# Allegro board WeChat_ZM_PART_20200601.brd (continued)
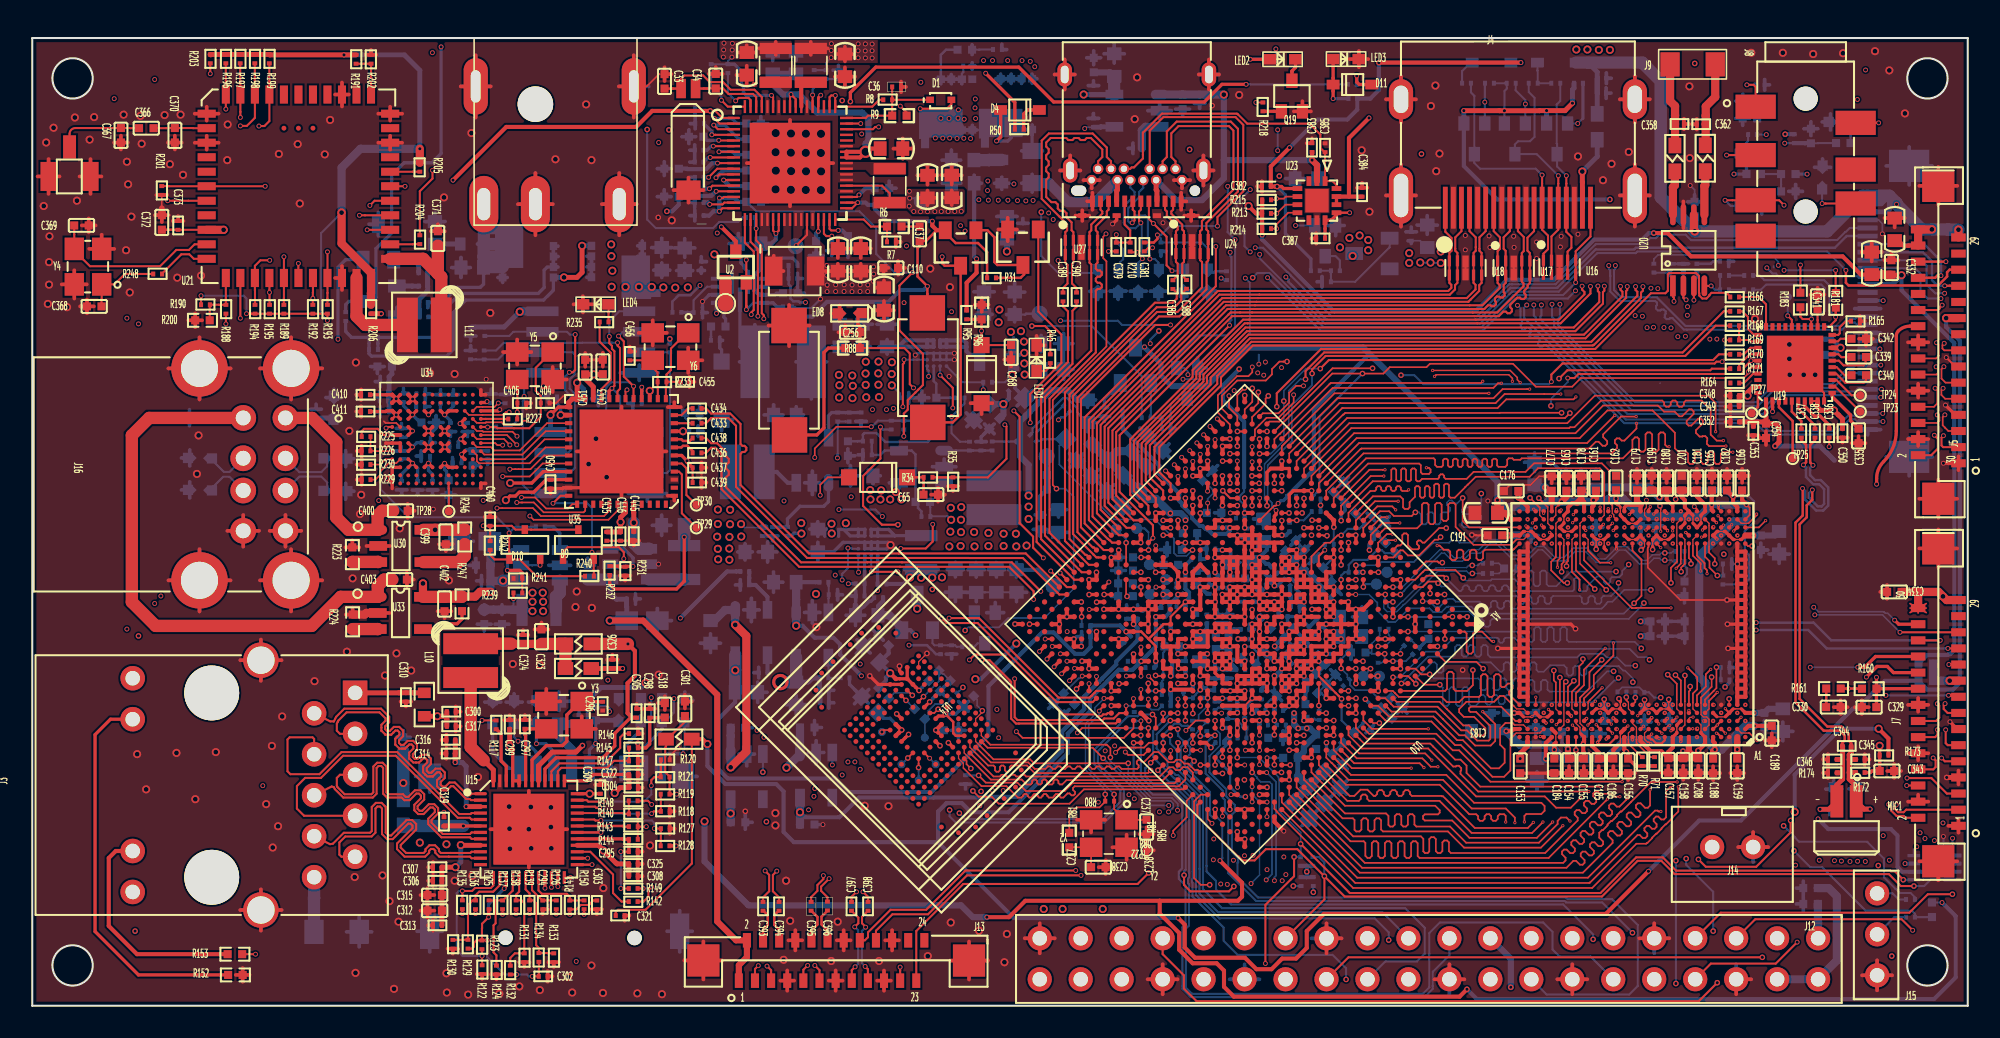
[diagram p0: board, top side]
## Routing (per net, layer and track width the routed paths; a pad name or vN(x,y) marks a point on that pad's centre or on a via; arc(x,y) is an arc through that point) (continued)
DDR0_D19: length 23.1
  TOP w0.102: v3(83.8,32.84) 82.98,32.84 82.01,31.87 81.15,31.01 U10.U2
  SIG1 w0.076: v3(98.25,29.16) 98.38,29.29 98.38,29.94 98.53,30.09 98.53,31.86 97.58,32.8 95.99,34.4 95.48,34.4 85.52,34.4 83.96,32.84 v3(83.8,32.84)
DDR0_D20: length 26.3
  TOP w0.076: 97.46,30.79 97.46,30.79 97.46,30.41 U11.AH19
  TOP w0.102: 97.46,30.79 97.46,31.61 97.47,31.62 97.47,33.05 97.19,33.33 93.36,33.33 92.83,32.8 89.49,32.8 89.01,32.31 89,32.31 88.85,32.16 88.85,32.16 88.2,31.5 87.92,31.5 87.84,31.59 87.84,32.28 87.75,32.36 87.62,32.36 87.53,32.28 87.53,31.59 87.44,31.5 87.32,31.5 87.23,31.59 87.23,32.28 87.14,32.36 87.01,32.36 86.92,32.28 86.92,31.59 86.83,31.5 86.73,31.5 86.64,31.59 86.64,32.12 86.55,32.21 86.43,32.21 86.34,32.12 86.34,31.59 86.25,31.5 86.12,31.5 86.03,31.59 86.03,32.12 85.94,32.21 85.82,32.21 85.73,32.12 85.73,31.55 85.39,31.22 85.39,30.9 85.29,30.8 85.09,30.8 84.99,30.9 84.99,31.41 84.81,31.58 83.12,31.58 82.74,31.2 82.71,31.2 82.31,30.79 U10.T1
DDR0_D21: length 23.3
  TOP w0.102: v3(85.33,31.99) 85.26,31.92 84.94,31.92 84.85,32.01 84.85,32.12 84.76,32.21 84.64,32.21 84.55,32.12 84.55,32.01 84.46,31.92 84.33,31.92 84.24,32.01 84.24,32.12 84.15,32.21 84.03,32.21 83.94,32.12 83.94,32.01 83.85,31.92 83.72,31.92 83.63,32.01 83.63,32.12 83.54,32.21 83.42,32.21 83.33,32.12 83.33,32.01 83.24,31.92 82.97,31.92 81.61,30.56 U10.T2
  SIG1 w0.076: v3(97.21,29.16) 97,29.37 97,29.78 96.84,29.95 96.65,29.95 96.39,30.21 96.39,30.79 94.42,32.76 94.19,32.76 93.31,32.76 93.24,32.69 93.24,32.58 93.17,32.52 93.08,32.52 93.01,32.58 93.01,32.7 92.94,32.76 92.85,32.76 92.78,32.7 92.78,32.58 92.71,32.52 92.62,32.52 92.55,32.58 92.55,32.7 92.49,32.76 92.39,32.76 92.32,32.7 92.32,32.58 92.26,32.52 92.16,32.52 92.1,32.58 92.1,32.7 92.03,32.76 91.93,32.76 91.87,32.7 91.87,32.58 91.8,32.52 91.7,32.52 91.64,32.58 91.64,32.7 91.57,32.76 91.48,32.76 91.41,32.7 91.41,32.58 91.34,32.52 91.25,32.52 91.18,32.58 91.18,32.7 91.11,32.76 91.02,32.76 90.95,32.7 90.95,32.58 90.89,32.52 90.79,32.52 90.72,32.58 90.72,32.7 90.66,32.76 90.38,32.76 90.31,32.7 90.31,32.69 90.24,32.63 90.15,32.63 90.08,32.69 90.08,32.7 90.02,32.76 89.92,32.76 89.85,32.7 89.85,32.69 89.79,32.63 89.69,32.63 89.63,32.69 89.63,32.7 89.56,32.76 89.46,32.76 89.4,32.7 89.4,32.69 89.33,32.63 89.24,32.63 89.17,32.69 89.17,32.7 89.1,32.76 89.03,32.76 88.96,32.7 88.96,32.45 88.89,32.39 88.8,32.39 88.73,32.45 88.73,32.7 88.66,32.76 85.86,32.76 85.33,32.24 v3(85.33,31.99)
DDR0_D22: length 23.1
  TOP w0.102: U10.R2 82.07,30.1 83.25,31.28 v3(84.68,31.28)
  SIG1 w0.076: v3(84.68,31.28) 84.78,31.38 85.12,31.38 85.24,31.5 85.36,31.5 85.68,31.18 85.81,31.18 85.9,31.27 85.9,31.39 85.58,31.71 85.58,31.84 85.67,31.93 85.8,31.93 86.11,31.61 86.24,31.61 86.33,31.7 86.33,31.83 86.01,32.14 86.01,32.27 86.23,32.48 86.47,32.48 86.55,32.4 86.55,32.16 86.64,32.08 86.77,32.08 86.86,32.16 86.86,32.4 86.95,32.48 87.07,32.48 87.16,32.4 87.16,32.16 87.25,32.08 87.38,32.08 87.47,32.16 87.47,32.4 87.56,32.48 87.68,32.48 87.77,32.4 87.77,32.16 87.86,32.08 87.99,32.08 88.08,32.16 88.08,32.4 88.17,32.48 88.29,32.48 88.38,32.4 88.38,32.16 88.47,32.08 89.05,32.08 89.09,32.11 89.36,32.11 89.59,32.35 90.09,32.35 90.21,32.22 91.55,32.22 91.66,32.11 93.33,32.11 93.67,32.45 94.34,32.45 94.48,32.31 94.48,32.19 94.22,31.92 94.22,31.8 94.31,31.71 94.43,31.71 94.69,31.97 94.82,31.97 96.11,30.68 96.11,30.07 96.52,29.66 v3(96.71,29.66)
DDR0_D23: length 23
  TOP w0.102: U10.R1 82.77,30.33 83.4,30.96 84.31,30.96 v3(84.53,30.75)
  SIG1 w0.076: v3(84.53,30.75) 84.39,30.75 84.29,30.64 84.29,30.33 84.38,30.24 85.04,30.24 85.13,30.33 85.13,30.49 85.05,30.57 84.9,30.57 84.82,30.64 84.82,30.95 84.9,31.02 85.32,31.02 85.39,30.95 85.39,30.33 85.52,30.2 85.9,30.2 86.11,30.41 86.11,31.07 86.16,31.12 86.29,31.12 86.49,30.92 86.62,30.92 86.71,31.01 86.71,31.13 86.5,31.34 86.5,31.47 86.83,31.8 86.91,31.8 87,31.71 87,31.44 87.09,31.35 87.21,31.35 87.3,31.44 87.3,31.71 87.39,31.8 87.52,31.8 87.61,31.71 87.61,31.44 87.7,31.35 87.82,31.35 87.91,31.44 87.91,31.71 88,31.8 89.44,31.8 89.71,32.07 89.97,32.07 90.1,31.94 91.43,31.94 91.57,31.81 91.99,31.81 92.01,31.83 92.27,31.83 92.29,31.81 93.57,31.81 94.46,30.92 95.48,30.92 95.83,30.56 95.83,29.55 95.99,29.39 95.99,28.95 96.28,28.66 v3(96.7,28.66)
DDR0_D24: length 15.4
  TOP w0.102: U11.AE29 91.88,28.33 91.87,28.33 91.82,28.28 90.07,28.28 89.95,28.16 89.95,27.75 89.83,27.63 89.66,27.63 89.54,27.75 89.54,28.16 89.42,28.28 89.25,28.28 89.13,28.16 89.13,27.75 89.02,27.63 88.85,27.63 88.73,27.75 88.73,28.16 88.61,28.28 88.44,28.28 88.32,28.16 88.32,27.75 88.2,27.63 88.03,27.63 87.92,27.75 87.92,28.16 87.8,28.28 87.51,28.28 87.26,28.53 v3(87.1,28.53) ; U10.P1 83.14,29.78 83.14,29.78 83.64,30.29 v3(83.99,30.29)
  SIG1 w0.076: v3(83.99,30.29) 83.62,29.92 83.36,29.92 83.27,29.83 83.27,29.71 83.36,29.62 83.6,29.62 83.69,29.53 83.69,29.18 84.55,28.33 86.9,28.33 v3(87.1,28.53)
DDR0_D25: length 15.9
  TOP w0.102: v2(85.75,30.59) 85.52,30.36 84.42,30.36 84.12,30.66 83.56,30.66 82.53,29.63 U10.P2 ; v2(88.69,31.48) 88.69,30.06 89.09,29.66 U11.AG29
  BOTTOM w0.102: v2(85.75,30.59) 85.98,30.59 86.1,30.47 86.1,29.97 86.21,29.85 86.38,29.85 86.5,29.97 86.5,30.47 86.62,30.59 86.79,30.59 86.91,30.47 86.91,29.97 87.03,29.85 87.2,29.85 87.31,29.97 87.31,30.47 87.43,30.59 87.8,30.59 87.9,30.69 87.9,30.86 87.72,31.04 87.72,31.21 87.84,31.33 88.01,31.33 88.18,31.15 88.35,31.15 v2(88.69,31.48)
DDR0_D26: length 17.2
  TOP w0.076: 92.02,28.91 92.46,28.91 U11.AF28
  TOP w0.102: U10.N1 83.87,29.6 85.86,29.6 86.16,29.91 86.16,31.07 86.26,31.17 86.47,31.17 86.57,31.07 86.57,29.98 86.69,29.86 86.86,29.86 86.98,29.98 86.98,31.07 87.08,31.17 87.28,31.17 87.38,31.07 87.38,30.18 87.5,30.06 87.67,30.06 87.79,30.18 87.79,31.07 87.89,31.17 88.15,31.17 88.25,31.07 88.25,29.69 89.36,28.58 91.69,28.58 92.02,28.91
DDR0_D27: length 15.1
  TOP w0.102: v3(84.52,28.87) 84.06,28.87 U10.M1
  SIG1 w0.076: v3(92.71,30.16) 92.12,30.16 92.02,30.26 91.81,30.26 91.71,30.16 91.64,30.16 91.51,30.28 90.93,30.28 90.78,30.14 90.62,30.14 90.48,30.28 90.32,30.28 90.19,30.16 89.92,30.16 89.81,30.27 89.5,30.27 89.48,30.24 89.2,30.24 89.17,30.27 88.89,30.27 88.87,30.24 88.59,30.24 88.48,30.36 88.21,30.36 88.14,30.29 88.14,30 88.08,29.93 87.98,29.93 87.92,30 87.92,30.29 87.85,30.36 87.75,30.36 87.69,30.29 87.69,30 87.62,29.93 87.53,29.93 87.46,30 87.46,30.29 87.39,30.36 87.32,30.36 87,30.04 87,29.7 86.94,29.63 86.73,29.63 86.66,29.57 86.66,29.47 86.73,29.41 86.94,29.41 87,29.34 87,29.26 86.94,29.2 86.35,29.2 86.28,29.13 86.28,29.03 86.35,28.97 86.94,28.97 87,28.9 87,28.82 86.78,28.61 86.25,28.61 86.18,28.67 86.18,28.8 86.11,28.87 86.02,28.87 85.95,28.8 85.95,28.67 85.88,28.61 85.79,28.61 85.72,28.67 85.72,28.8 85.66,28.87 85.56,28.87 85.49,28.8 85.49,28.67 85.43,28.61 85.33,28.61 85.27,28.67 85.27,28.8 85.2,28.87 85.1,28.87 85.04,28.8 85.04,28.67 84.97,28.61 84.78,28.61 v3(84.52,28.87)
DDR0_D28: length 14.7
  TOP w0.102: v3(84.79,29.93) 83.72,29.93 83.3,29.51 83.3,29.5 83.12,29.32 83.11,29.32 82.99,29.19 U10.N2
  SIG1 w0.076: 93.83,29.27 93.83,30.03 93.67,30.18 93.67,30.2 93.28,30.59 93.26,30.59 93.04,30.82 92.8,30.82 92.8,30.82 91.77,30.82 91.59,30.99 89.77,30.99 89.71,31.06 89.71,31.25 89.64,31.32 89.54,31.32 89.48,31.25 89.48,31.06 89.41,30.99 89.32,30.99 89.25,31.06 89.25,31.25 89.18,31.32 89.09,31.32 89.02,31.25 89.02,31.06 88.95,30.99 87.09,30.99 85.9,29.8 84.92,29.8 v3(84.79,29.93) ; 93.83,29.27 v3(93.71,29.16) ; 93.83,29.27 93.83,29.27 93.71,29.15
DDR0_D29: length 16.3
  TOP w0.076: 93.46,30.86 93.46,30.76 93.46,30.76 93.46,30.41 U11.AH26
  TOP w0.102: v2(87.67,29.62) 87.22,29.62 86.32,28.71 86.2,28.71 86.07,28.85 85.94,28.85 85.85,28.76 85.85,28.63 85.98,28.5 85.98,28.37 85.91,28.3 85.55,28.3 85.29,28.55 85.29,29.18 85.19,29.28 85.05,29.28 84.94,29.18 84.94,28.66 84.82,28.54 84.69,28.54 84.69,28.54 84.65,28.54 U10.L1 ; 93.46,30.86 93.46,30.89 v2(92.86,31.49)
  SIG2 w0.076: v2(87.67,29.62) 88.38,30.33 88.59,30.33 88.68,30.41 88.68,30.83 88.77,30.92 88.9,30.92 88.99,30.83 88.99,30.41 89.08,30.33 89.2,30.33 89.29,30.41 89.29,30.83 89.38,30.92 89.51,30.92 89.6,30.83 89.6,30.41 89.69,30.33 90.89,30.33 90.98,30.41 90.98,30.74 91.07,30.83 91.19,30.83 91.28,30.74 91.28,30.41 91.37,30.33 91.7,30.33 92.71,31.34 92.71,31.34 v2(92.86,31.49)
DDR0_D30: length 14.6
  TOP w0.102: U10.M2 83.45,28.71 83.98,29.24 v3(84.33,29.24)
  SIG1 w0.076: v3(84.33,29.24) 84.33,29.38 84.44,29.49 84.52,29.49 84.61,29.41 84.61,29.23 84.7,29.14 84.82,29.14 84.91,29.23 84.91,29.41 85,29.49 85.13,29.49 85.22,29.41 85.22,29.23 85.31,29.14 85.43,29.14 85.52,29.23 85.52,29.41 85.61,29.49 86.06,29.49 87.28,30.71 91.48,30.71 91.65,30.54 92.92,30.54 93.15,30.31 93.17,30.31 93.39,30.09 93.39,30.07 93.47,29.99 93.47,29.31 93.43,29.27 93.43,29.04 93.47,29 93.47,28.94 93.75,28.66 v3(94.21,28.66)
DDR0_D31: length 14.8
  TOP w0.076: U11.AG25 93.96,29.91 93.96,30.91
  TOP w0.102: 93.96,30.91 93.57,31.31 v2(93.41,31.47) ; v2(87.32,29.06) 87.16,28.9 86.96,28.9 85.98,27.92 85.29,27.92 84.98,28.24 84.82,28.24 84.51,27.93 84.51,27.92 84.39,27.8 U10.L2
  SIG2 w0.076: v2(93.41,31.47) 91.87,29.93 90.45,29.93 90.38,29.86 90.38,29.74 90.32,29.67 90.22,29.67 90.16,29.74 90.16,29.86 90.09,29.93 89.63,29.93 89.54,29.84 89.54,29.77 89.42,29.64 89.25,29.64 89.24,29.65 89.24,29.84 89.15,29.93 89.02,29.93 88.93,29.84 88.93,29.58 88.84,29.49 88.72,29.49 88.63,29.58 88.63,29.84 88.54,29.93 88.46,29.93 87.59,29.06 87.59,29.06 v2(87.32,29.06)
DDR0_DM0: length 38.7
  TOP w0.102: v2(78.73,30.55) U10.Y5
  SIG1 w0.076: v2(78.73,30.55) 78.73,30.82 78.77,30.86 78.77,30.9 80.45,32.57 82.27,32.57 83.12,33.42 83.29,33.59 83.92,33.59 89.37,39.04 92.39,39.04 92.92,38.51 93.73,38.51 93.94,38.31 95.58,38.31 96.31,39.04 99.22,39.04 100.18,38.07 100.89,38.07 102.53,36.44 102.53,35.77 103.96,34.33 103.96,34.27 104.57,33.66 104.62,33.66 105,33.28 105.01,33.28 105.11,33.19 105.11,30.57 104.83,30.29 104.83,29.97 104.98,29.82 104.98,29.37 105.11,29.23 105.11,28.76 v3(105.21,28.66)
DDR0_DM1: length 31.6
  TOP w0.076: v3(100.97,28.4) 100.87,28.5 100.87,28.5 U11.AE12 ; v2(100.92,30.99) 100.92,30.92 100.96,30.87 100.96,30.78 100.96,30.78 v3(100.96,29.42)
  TOP w0.102: U10.AC5 v2(77.47,31.93)
  SIG1 w0.076: v4(85.75,36.89) 83.49,34.63 82.85,34.63 81.84,33.61 79.36,33.61 77.68,31.93 v2(77.47,31.93) ; v3(100.97,28.4) 100.86,28.5 100.86,29.32 v3(100.96,29.42)
  SIG2 w0.076: v4(85.75,36.89) 85.91,37.05 93.43,37.05 99.31,31.17 100.71,31.17 100.73,31.15 100.74,31.15 100.74,31.15 100.74,31.15 100.76,31.14 100.77,31.14 v2(100.92,30.99)
DDR0_DM2: length 22.9
  TOP w0.102: v2(80.27,29.14) 80.05,29.14 80.02,29.17 U10.U5
  SIG1 w0.076: v3(97.71,28.66) 97.71,28.86 97.71,28.86 97.71,29.24 97.31,29.64 97.31,29.87 96.67,30.51 96.67,30.91 94.54,33.04 94.07,33.04 85.74,33.04 83.98,31.28 83.85,31.28 83.61,31.52 83.48,31.52 83.39,31.43 83.39,31.3 83.63,31.06 83.63,30.93 83.54,30.84 82.88,30.84 81.76,29.72 81.25,29.72 80.71,29.17 80.52,29.17 80.49,29.14 v2(80.27,29.14)
DDR0_DM3: length 14.4
  TOP w0.102: U10.P5 v2(81.15,27.33)
  SIG1 w0.076: v3(93.21,28.66) 93.09,28.78 89.72,28.78 87.94,27.01 85.72,27.01 85.63,26.92 85.63,26.64 85.54,26.55 85.41,26.55 85.33,26.64 85.33,26.92 85.24,27.01 84.36,27.01 83.96,27.41 83.1,27.41 82.87,27.64 82.24,27.64 82.22,27.62 81.94,27.62 81.93,27.62 81.43,27.62 v2(81.15,27.33)
DDR0_DQS0M: length 39.4
  TOP w0.076: U11.AG3 v3(105.36,29.82) 105.36,29.83 105.37,29.84
  TOP w0.102: U10.AA4 v2(78.39,31.01)
  SIG1 w0.076: v3(105.36,29.82) 105.63,30.09 105.63,30.09 105.97,30.44 105.97,31.21 106.07,31.31 106.07,33.2 105.33,33.94 105.28,33.94 105.05,34.16 105.05,34.22 104.95,34.32 104.85,34.32 104.62,34.54 104.62,34.65 103.32,35.96 103.32,36.13 103.32,36.79 100.41,39.7 99.49,39.7 89.1,39.7 83.65,34.25 83.01,34.25 82.46,33.7 82,33.23 79.73,33.23 78.39,31.89 v2(78.39,31.01)
DDR0_DQS0P: length 37.7
  TOP w0.102: U10.Y4 v2(78.85,31.46)
  SIG1 w0.076: 105.3,30.16 105.27,30.13 105.21,30.13 ; 105.3,30.16 v3(105.21,30.16) ; 105.3,30.16 105.69,30.55 105.69,31.32 105.79,31.43 105.79,32.19 105.56,32.42 105.56,32.73 105.79,32.95 105.79,33.09 105.22,33.66 105.16,33.66 104.78,34.04 104.73,34.04 104.34,34.43 104.34,34.54 103.04,35.84 103.04,36.24 103.04,36.68 100.29,39.42 99.61,39.42 89.21,39.42 83.76,33.97 83.13,33.97 82.74,33.58 82.11,32.95 79.85,32.95 78.85,31.95 v2(78.85,31.46)
DDR0_DQS1M: length 33.2
  TOP w0.076: v3(100.48,29.44) 100.5,29.44 U11.AG12
  TOP w0.089: v3(91.77,38.71) 91.77,38.9 91.54,39.13 87.05,39.13 87.04,39.12 v3(86.94,39.02)
  TOP w0.102: U10.AD4 v2(77.01,32.39)
  SIG1 w0.076: v3(91.77,38.71) 91.77,38.51 94.27,36.02 96.49,36.02 96.61,35.9 99.8,32.7 100.03,32.48 100.03,30.75 100.03,30.74 100.03,30.29 100.25,30.07 100.25,30.06 100.37,29.93 100.37,29.78 100.48,29.66 v3(100.48,29.44) ; v3(86.94,39.02) 86.65,38.73 86.65,38.34 85.91,37.6 85.52,37.6 85.32,37.4 85.32,37.04 84.56,36.28 84.2,36.28 82.96,35.04 82.69,35.04 82.46,34.81 81.67,34.02 79.1,34.02 77.62,32.54 77.54,32.54 77.16,32.54 v2(77.01,32.39)
DDR0_DQS1P: length 32.1
  TOP w0.076: v3(100.71,30.21) 100.71,30.2 U11.AH12
  TOP w0.089: v3(86.82,39.39) 91.63,39.39 92.07,38.95 92.07,38.82 v3(92.25,38.64)
  TOP w0.102: U10.AC4 v2(77.47,32.86)
  SIG1 w0.076: v3(86.82,39.39) 86.37,38.94 86.37,38.46 85.8,37.88 85.41,37.88 85.04,37.51 85.04,37.15 84.45,36.56 84.09,36.56 82.84,35.32 82.57,35.32 82.18,34.92 81.55,34.3 78.92,34.3 v2(77.47,32.86) ; v3(92.25,38.64) 92.25,38.42 94.38,36.29 96.6,36.29 96.81,36.09 99.92,32.98 100.58,32.32 100.58,30.34 v3(100.71,30.21)
DDR0_DQS2M: length 24
  TOP w0.089: U11.AG18 97.87,29.81 97.87,29.81 v3(97.97,29.92)
  TOP w0.102: v2(79.35,30.1) 79.36,30.09 U10.V4
  SIG1 w0.076: v3(97.97,29.92) 97.97,30.07 98.13,30.23 98.13,30.52 97.98,30.67 97.98,31.22 97.88,31.32 97.88,31.57 97.77,31.68 97.77,31.82 97.77,32.08 97.43,32.42 95.83,34.02 95.32,34.02 95.32,34.02 85.77,34.02 83.99,32.24 83.27,32.24 82.18,31.15 80.49,31.15 79.6,30.25 79.5,30.25 v2(79.35,30.1)
DDR0_DQS2P: length 22.9
  TOP w0.089: U11.AH18 97.71,30.21 97.73,30.23 97.84,30.35 v3(97.85,30.35)
  TOP w0.102: U10.U4 v2(79.77,29.63)
  SIG1 w0.076: v2(79.77,29.63) 79.77,30.03 80.61,30.87 82.29,30.87 83.38,31.96 84.11,31.96 85.89,33.74 95.2,33.74 95.71,33.74 97.49,31.96 97.49,31.32 97.7,31.11 97.7,30.49 v3(97.85,30.35)
DDR0_DQS3M: length 15
  TOP w0.102: U10.R4 v2(81.15,28.26)
  SIG1 w0.076: v3(93.19,29.66) 93.01,29.48 89.41,29.48 89.39,29.5 89.13,29.5 89.1,29.48 88.7,29.48 88.64,29.42 88.64,29.21 88.15,28.72 88.15,28.31 87.71,27.87 87.38,27.87 87.17,27.67 86.82,27.67 86.55,27.39 85.95,27.39 85.68,27.67 85.26,27.67 84.99,27.39 84.52,27.39 83.23,28.68 82.74,28.68 82.06,28 81.4,28 v2(81.15,28.26)
DDR0_DQS3P: length 14.9
  TOP w0.076: U11.AH27 93.02,29.93 v3(93.01,29.93)
  TOP w0.102: U10.P4 81.61,28.47 81.61,28.47 v2(81.61,28.72)
  SIG1 w0.076: v3(93.01,29.93) 92.84,29.76 89.53,29.76 89.5,29.78 89.01,29.78 88.98,29.76 88.58,29.76 88.36,29.53 88.36,29.33 87.95,28.92 87.95,28.92 87.87,28.84 87.87,28.43 87.59,28.15 87.27,28.15 87.06,27.95 86.71,27.95 86.43,27.67 86.07,27.67 85.79,27.95 85.15,27.95 84.87,27.67 84.63,27.67 83.34,28.96 82.63,28.96 81.95,28.28 81.68,28.28 81.61,28.36 v2(81.61,28.72)
DDR0_ODT0: length 14.7
  TOP w0.102: U11.AE21 96.21,27.62 99.16,24.67 99.18,24.67 99.19,24.66 99.44,24.66 99.45,24.67 v3(101.6,24.67) ; v2(104.48,26.68) 103.99,27.16 103.99,27.56 103.71,27.84 U11.AE6
  SIG1 w0.076: v2(104.48,26.68) 102.47,24.67 v3(101.6,24.67)
  BOTTOM w0.102: v2(104.48,26.68) R72.1 104.82,26.85 104.82,26.85 R73.1
DDR0_RST: length 23.9
  TOP w0.102: U10.L7 v1(82.05,25.5) ; v2(99.31,24.96) 99.77,25.41 99.77,27.67 99.21,28.22 99.21,28.47 99.21,28.47 U11.AE15
  BOTTOM w0.102: v1(82.05,25.5) 82.89,25.5 83.39,24.99 83.39,24.48 84.09,23.79 84.5,23.79 84.75,24.03 84.75,24.03 85.2,24.48 85.25,24.48 85.41,24.64 86.63,24.64 86.86,24.41 87.38,24.41 87.69,24.72 87.69,24.72 87.71,24.74 87.79,24.74 87.79,24.75 89.22,24.75 89.66,24.31 98.67,24.31 v2(99.31,24.96)
DDR1_A0: length 34.7
  TOP w0.076: U11.B21 96.21,17.26 95.96,17.51 95.96,18.88 ; 103.46,18.78 103.46,18.78 103.46,18.05 103.61,17.91 103.81,17.91 103.96,17.76 103.96,17.41 U11.B6
  TOP w0.102: 95.96,18.88 95.96,19.1 96.55,19.68 96.55,20.68 v2(97.31,21.45) ; v2(104.12,20.38) 104.12,19.77 103.46,19.11 103.46,18.78 ; U10.B10 v2(84.36,20.36)
  SIG2 w0.076: v2(104.12,20.38) 103.68,20.38 102.6,21.45 v2(100.27,21.45) 99.95,21.77 98.96,21.77 98.64,21.45 97.53,21.45 97.52,21.45 v2(97.31,21.45)
  BOTTOM w0.102: v2(84.36,20.36) 84.8,20.36 86.39,21.95 87.26,21.95 88.12,22.81 90.84,22.81 90.93,22.73 90.93,22.6 91.02,22.51 91.15,22.51 91.23,22.6 91.23,22.73 91.32,22.81 91.9,22.81 92.58,22.13 99.03,22.13 99.55,21.61 100.11,21.61 v2(100.27,21.45)
DDR1_A1: length 31.6
  TOP w0.076: 96.55,18.94 96.46,18.84 96.46,18.76 96.46,18.76 96.46,18.41 U11.D21 ; 103.96,18.83 103.96,18.41 U11.D6
  TOP w0.102: v3(97.33,19.72) 96.55,18.94 ; 103.96,18.83 103.96,18.9 104.25,19.19 104.25,19.19 104.36,19.31 104.36,19.32 v3(104.47,19.43) ; v2(89.32,20.81) 89.32,19.88 88.96,19.52 88.24,19.52 88.12,19.64 88.12,20.59 88,20.71 87.83,20.71 87.71,20.59 87.71,19.64 87.6,19.52 U10.A10
  SIG1 w0.076: 99.97,20.69 99.15,20.69 98.94,20.49 98.94,20.2 98.76,20.01 98.47,20.01 98.07,19.61 97.57,19.61 97.47,19.72 v3(97.33,19.72) ; 99.97,20.69 100.55,20.12 103.17,20.12 103.89,19.41 104.31,19.41 104.33,19.43 v3(104.47,19.43) ; 99.97,20.69 v4(99.97,20.71)
  SIG2 w0.076: v2(89.32,20.81) 89.63,20.5 90.81,20.5 91.67,21.37 95.56,21.37 95.78,21.14 96.05,21.14 96.06,21.13 97.44,21.13 97.44,21.14 98.78,21.14 99.04,21.4 99.81,21.4 99.97,21.24 v4(99.97,20.71)
DDR1_A2: length 32.2
  TOP w0.102: v2(85.78,19.96) 85.61,20.13 85.43,20.31 85.43,20.31 85.3,20.44 U10.B9 ; U11.E8 102.71,19.49 102.79,19.57 v2(102.79,19.79) ; v2(95.58,20.15) 95.22,19.79 95.22,19.77 95.21,19.77 U11.E23
  SIG2 w0.076: v2(102.79,19.79) 99.51,19.79 v2(99.24,20.06) 99.03,20.06 98.77,19.81 95.92,19.81 v2(95.58,20.15)
  BOTTOM w0.102: v2(99.24,20.06) 99.24,20.29 98.74,20.78 98.64,20.78 98.36,21.06 96.47,21.06 96.35,20.94 96.35,20.6 96.23,20.48 96.06,20.48 95.94,20.6 95.94,20.94 95.83,21.06 95.66,21.06 95.54,20.94 95.54,20.6 95.42,20.48 95.25,20.48 95.13,20.6 95.13,20.94 94.97,21.11 94.1,21.11 93.7,20.71 93.38,20.71 93.26,20.83 93.26,21.17 93.14,21.29 92.97,21.29 92.85,21.17 92.85,20.83 92.74,20.71 92.57,20.71 92.45,20.83 92.45,21.17 92.33,21.29 92.16,21.29 92.04,21.17 92.04,20.83 91.92,20.71 91.75,20.71 91.64,20.83 91.64,21.17 91.52,21.29 91.35,21.29 91.23,21.17 91.23,20.83 91.11,20.71 91.01,20.71 90.42,21.29 87.61,21.29 87.49,21.17 87.49,20.77 87.37,20.65 87.2,20.65 87.08,20.77 87.08,21.17 86.97,21.29 86.79,21.29 85.78,20.29 v2(85.78,19.96)
DDR1_A3: length 34.2
  TOP w0.076: 94.96,18.78 94.96,17.41 U11.B24 ; U11.B9 102.46,17.41 102.46,18.88 102.46,18.88
  TOP w0.102: v2(95.08,20.09) 94.96,19.97 94.96,18.78 ; v2(84.89,19.98) U10.A9 ; 102.46,18.88 v2(102.46,20.48)
  SIG1 w0.076: v2(102.46,20.48) 101.8,21.14 99.65,21.14 99.6,21.09 v2(99.39,21.09) 99.05,21.09
  SIG1 w0.102: v2(95.08,20.09) 95.08,20.36 95.81,21.09 99.05,21.09
  BOTTOM w0.102: v2(84.89,19.98) 86.55,21.65 88.09,21.65 88.21,21.77 88.21,22.24 88.33,22.36 88.5,22.36 88.62,22.24 88.62,21.77 88.74,21.65 88.91,21.65 89.02,21.77 89.02,22.24 89.14,22.36 89.31,22.36 89.43,22.24 89.43,21.77 89.55,21.65 89.72,21.65 89.84,21.77 89.84,22.24 89.96,22.36 90.12,22.36 90.24,22.24 90.24,21.77 90.41,21.6 95.78,21.6 96,21.82 97.4,21.82 97.62,21.6 98.26,21.6 98.76,21.09 v2(99.39,21.09)
DDR1_A4: length 32.9
  TOP w0.076: U11.D24 94.46,18.41 94.46,18.83 ; 101.96,18.97 101.96,18.41 U11.D9
  TOP w0.102: 94.46,18.83 94.46,20.05 94.34,20.17 v2(94.34,20.78) ; v2(86.64,20.55) 86.11,20.55 85.76,20.9 U10.B8 ; 101.96,18.97 101.96,19.96 v2(101.4,20.53)
  SIG2 w0.076: v2(94.34,20.78) 97.78,20.78 97.83,20.74 v2(98.04,20.74) 98.17,20.74 98.21,20.77 99.5,20.77 99.9,20.37 101.24,20.37 v2(101.4,20.53)
  BOTTOM w0.102: v2(98.04,20.74) 97.82,20.74 97.82,20.73 97.64,20.73 96.39,19.48 94.07,19.48 93.95,19.6 93.95,20.08 93.83,20.2 93.66,20.2 93.54,20.08 93.54,19.6 93.42,19.48 93.25,19.48 93.14,19.6 93.14,20.08 93.02,20.2 92.85,20.2 92.73,20.08 92.73,19.6 92.62,19.49 92.34,19.49 92.24,19.58 92.24,20.15 92.1,20.29 91.92,20.29 91.8,20.17 91.8,19.68 91.68,19.57 91.52,19.57 91.4,19.68 91.4,20.17 91.28,20.29 91.11,20.29 90.99,20.17 90.99,19.68 90.87,19.57 90.7,19.57 90.58,19.68 90.58,20.17 90.47,20.29 90.3,20.29 90.18,20.17 90.18,19.68 90.06,19.57 89.89,19.57 89.77,19.68 89.77,20.17 89.65,20.29 86.89,20.29 v2(86.64,20.55)
DDR1_A5: length 32.5
  TOP w0.102: U11.E9 102.21,20.17 v2(101.88,20.5) ; U10.A8 85.89,20.29 85.91,20.29 86.3,19.91 v2(87.27,19.91) ; U11.E24 v2(94.71,20.35)
  SIG2 w0.076: v2(94.71,20.35) 94.86,20.5 95.67,20.5 95.85,20.33 v2(98.35,20.33) 98.56,20.33 98.73,20.49 99.38,20.49 99.74,20.14 99.74,20.14 99.79,20.09 101.46,20.09 v2(101.88,20.5)
  BOTTOM w0.102: v2(87.27,19.91) 87.45,19.73 87.45,18.71 87.57,18.59 87.74,18.59 87.86,18.71 87.86,19.63 87.97,19.75 88.14,19.75 88.26,19.63 88.26,18.71 88.38,18.59 88.55,18.59 88.67,18.71 88.67,19.63 88.79,19.75 88.96,19.75 89.07,19.63 89.07,18.71 89.19,18.59 89.49,18.59 89.69,18.79 89.69,19.14 89.81,19.26 89.98,19.26 90.1,19.14 90.1,18.79 90.22,18.67 90.38,18.67 90.5,18.79 90.5,19.14 90.62,19.26 90.79,19.26 90.91,19.14 90.91,18.8 91.01,18.7 91.18,18.7 91.29,18.82 91.29,19.14 91.41,19.26 91.58,19.26 92.03,18.81 96.73,18.81 98.08,20.17 98.19,20.17 v2(98.35,20.33)
DDR1_CKE0: length 32.4
  TOP w0.076: 95.46,18.98 95.46,18.41 U11.D22 ; 102.96,18.78 102.96,18.41 U11.D7
  TOP w0.102: v3(102.64,20.95) 103.23,20.37 103.23,19.62 102.96,19.36 102.96,18.78 ; v2(89.96,20.9) 89.54,21.32 87.62,21.32 87.36,21.58 U10.A5 ; v2(96.14,21.49) 96.14,21.27 95.91,21.04 95.91,19.92 95.46,19.47 95.46,18.98
  SIG1 w0.076: v3(102.64,20.95) 101.77,21.82 98.84,21.82 98.79,21.87 v4(98.6,21.87) 96.74,21.87 96.37,21.49 v2(96.14,21.49)
  SIG2 w0.076: v2(89.96,20.9) 90.79,20.9 91.76,21.87 91.95,21.87 92.04,21.96 92.04,22.5 92.13,22.59 92.25,22.59 92.34,22.5 92.34,21.96 92.43,21.87 92.56,21.87 92.65,21.96 92.65,22.5 92.74,22.59 92.86,22.59 92.95,22.5 92.95,21.96 93.04,21.87 93.17,21.87 93.26,21.96 93.26,22.5 93.35,22.59 93.47,22.59 93.56,22.5 93.56,21.96 93.65,21.87 93.78,21.87 93.87,21.96 93.87,22.5 93.95,22.59 94.08,22.59 94.17,22.5 94.17,21.96 94.26,21.87 94.39,21.87 94.48,21.96 94.48,22.5 94.56,22.59 94.69,22.59 94.78,22.5 94.78,21.96 94.87,21.87 v4(98.6,21.87)
DDR1_CKE1: length 33.9
  TOP w0.102: U11.E22 95.71,19.38 96.2,19.87 96.2,20.84 v3(97.52,22.16) ; U10.E6 v2(85.29,23.2) ; v3(104.06,20.86) 103.76,20.55 103.76,19.79 103.21,19.24 U11.E7
  SIG1 w0.076: v3(104.06,20.86) 103.62,20.86 102.32,22.16 v2(99.76,22.16) 99.55,22.16 v3(97.52,22.16) 97.52,22.16
  BOTTOM w0.102: v2(99.76,22.16) 99.36,22.56 95.76,22.56 95.27,22.56 95.15,22.68 95.15,23.36 95.03,23.47 94.86,23.47 94.74,23.36 94.74,22.68 94.62,22.56 94.45,22.56 94.33,22.68 94.33,23.36 94.21,23.47 94.05,23.47 93.93,23.36 93.93,22.68 93.81,22.56 93.64,22.56 93.52,22.68 93.52,23.36 93.4,23.47 93.23,23.47 93.11,23.36 93.11,22.68 93,22.56 92.72,22.56 92.08,23.2 v2(85.29,23.2)
DDR1_CLK0N: length 26.5
  TOP w0.089: v3(95.17,17.66) U11.C23
  TOP w0.102: U10.D8 v2(84.83,21.82)
  SIG1 w0.076: v2(84.83,21.82) 87.06,19.59 87.71,19.59 87.97,19.86 87.97,20.89 87.88,20.98 87.07,20.98 86.82,21.23 86.82,21.71 87.07,21.96 87.78,21.96 87.87,22.05 87.87,22.4 88.15,22.68 88.15,23.42 88.4,23.67 88.89,23.67 89.14,23.42 89.14,21.88 89.23,21.79 90.5,21.79 90.74,21.55 90.74,20 90.82,19.92 91.1,19.92 91.17,20 91.17,21.79 91.45,22.07 92.4,22.07 92.78,21.69 92.78,20.09 92.95,19.92 93.88,19.92 94.92,18.89 94.92,17.91 v3(95.17,17.66) 95.18,17.65 95.2,17.65
  BOTTOM w0.102: v2(84.83,21.82) 84.83,22.1 R65.2
DDR1_CLK0P: length 28
  TOP w0.089: v3(95.17,17.15) 95.18,17.16 U11.B23
  TOP w0.102: v2(84.36,21.36) U10.D9
  SIG1 w0.076: v2(84.36,21.36) 84.87,21.36 86.91,19.31 87.82,19.31 88.36,19.85 88.36,20.08 88.25,20.19 88.25,21 88,21.26 87.18,21.26 87.09,21.35 87.09,21.59 87.18,21.68 87.9,21.68 88.15,21.94 88.15,22.29 88.43,22.56 88.43,23.3 88.52,23.39 88.77,23.39 88.86,23.3 88.86,21.76 89.11,21.51 90.38,21.51 90.46,21.44 90.46,19.88 90.7,19.64 91.21,19.64 91.45,19.88 91.45,21.68 91.57,21.79 92.29,21.79 92.51,21.57 92.51,19.97 92.83,19.64 93.76,19.64 94.64,18.77 94.64,17.68 v3(95.17,17.15)
  BOTTOM w0.102: v2(84.36,21.36) 85.16,21.36 R64.2
DDR1_CLK1N: length 27.1
  TOP w0.076: U11.C8 102.71,17.8 102.79,17.88 102.95,17.88 v3(102.97,17.89)
  TOP w0.102: v2(83.44,22.28) U10.E8
  SIG1 w0.076: v3(102.97,17.89) 102.97,17.79 102.97,17.79 102.97,17.56 v4(102.93,17.53)
  SIG2 w0.076: v2(83.44,22.28) 83.91,22.28 84.49,22.85 85.26,22.85 88.89,19.23 90.28,19.23 90.55,18.95 90.55,18.27 90.66,18.16 90.91,18.16 91.02,18.27 91.02,18.95 91.33,19.26 95.48,19.26 96.85,17.89 98.56,17.89 98.99,18.32 102.33,18.32 102.93,17.72 v4(102.93,17.53)
  BOTTOM w0.102: R61.2 84.09,22.99 84.21,22.87 84.21,22.6 83.89,22.28 v2(83.44,22.28)
DDR1_CLK1P: length 26
  TOP w0.076: v3(102.95,17.18) 102.94,17.18 102.92,17.16 U11.B8
  TOP w0.102: U10.E9 v2(83.85,21.82)